# Altium PCB BW1098FFC.PcbDoc (part 1 of 3) (continued)
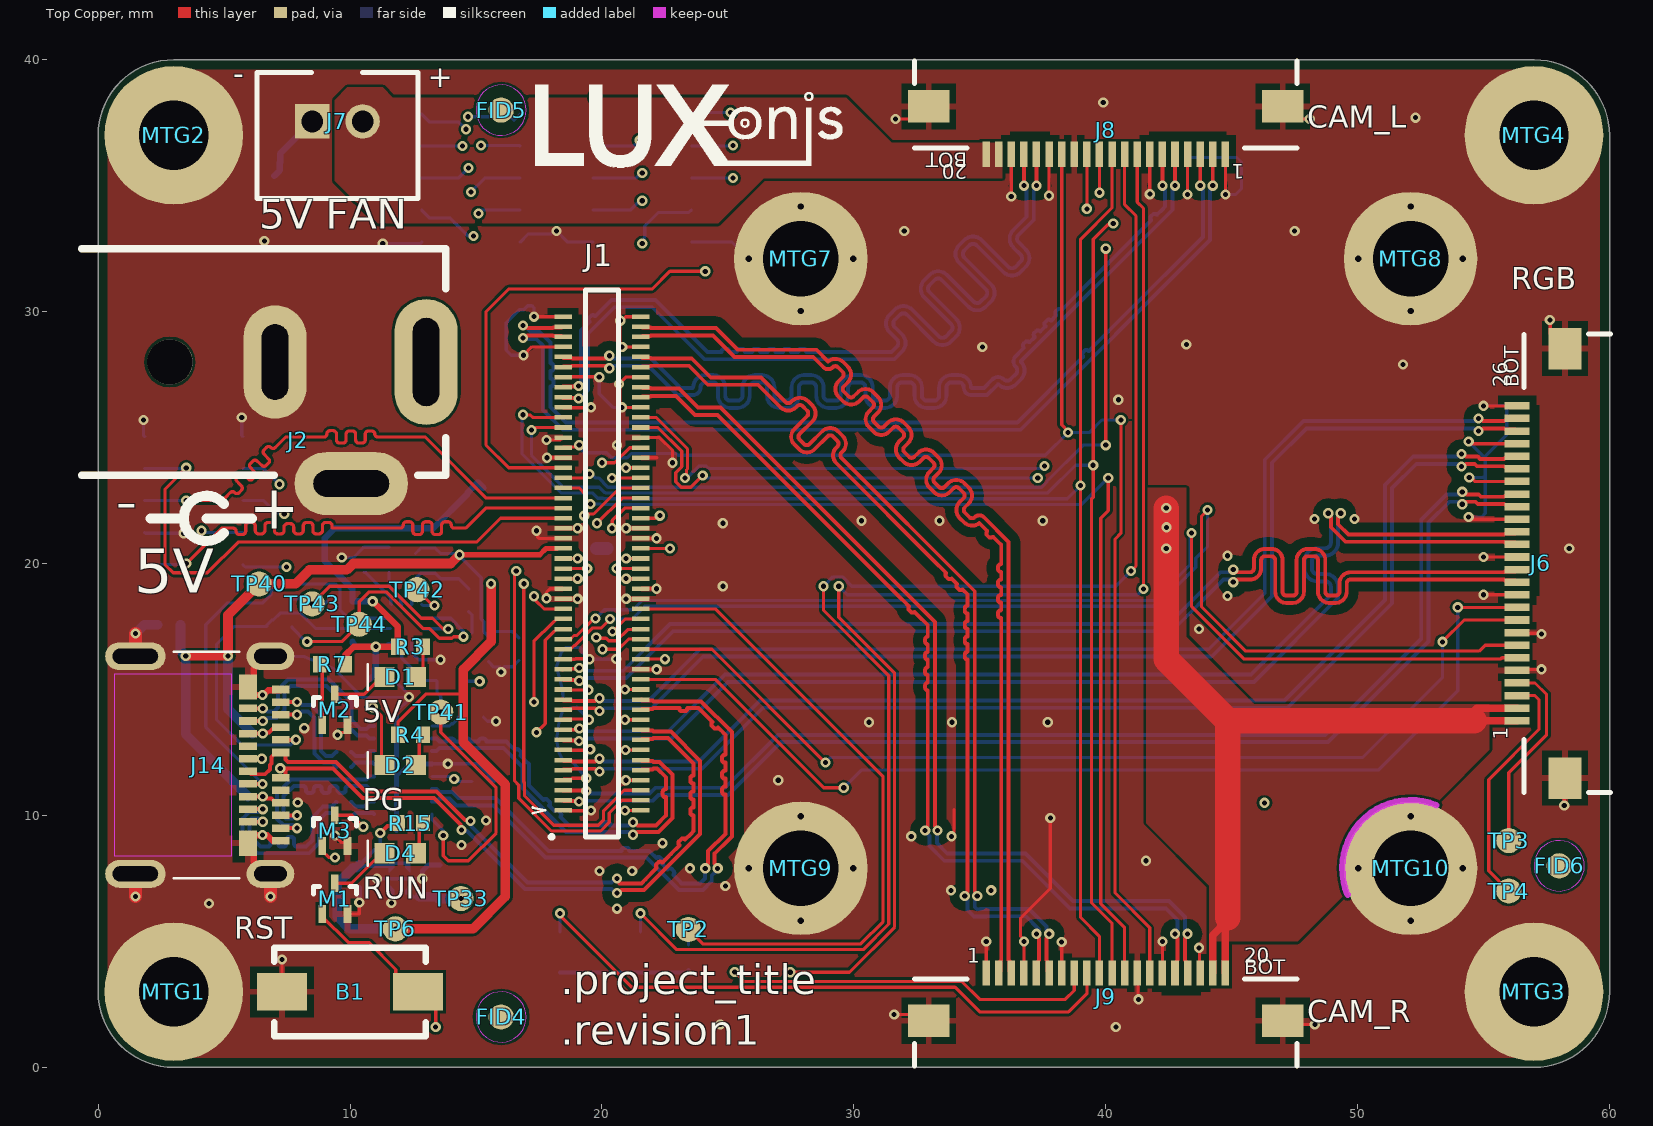
[diagram p0: Top Copper view]
## Part data (continued)
J3 J4 J5: "CONN HEADER SMD 10POS 1.27MM", Color=Black, Contact Resistance=30mR, Manufacturer 1="Amphenol FCI", Max Operating Temperature=85°C, Max Voltage Rating (AC)=125V, Min Operating Temperature=-40°C, Package Quantity=93, Supplier Part Number 1=609-6529-ND, ComponentLink1Description=https://datasheet.ciiva.com/18659/20021121-18659066.pdf?src-supplier=Digi-Key, ComponentLink1URL=https://datasheet.ciiva.com/18659/20021121-18659066.pdf?src-supplier=Digi-Key, ComponentLink2Description=https://datasheet.ciiva.com/10033/20021121-10033582.pdf?src-supplier=Avnet, ComponentLink2URL=https://datasheet.ciiva.com/10033/20021121-10033582.pdf?src-supplier=Avnet, Connector Type="Male Pin", Contact Material="Copper Alloy", Contact Mating Length=0.12inch, Contact Plating=Gold, Depth=3.4mm, Housing Color=Black, Housing Material=Thermoplastic, Length=6.35mm, Manufacturer Part Number 1=20021121-00010T1LF, Mount="Surface Mount", Number of Contacts=10, Number of Positions=10, Number of Rows=2, Orientation=Straight, Packaging=Rail/Tube, Pitch=1.27mm, Pricing 1="1=0.77000, 10=0.71800, 100=0.55040, 500=0.47860, 1000=0.39485, 5000=0.34699, 10000=0.32306 (USD)", RoHS=Yes, Row Spacing=0.05inch, Stock 1=1465, Supplier 1=Digi-Key, Supplier 2=Mouser, Supplier 3=TTI, Supplier Part Number 2=649-200211210010T1LF, Supplier Part Number 3=20021121-00010T1LF, Termination=Solder
J6: library part 54548-2671, "CONN FFC BOTTOM 26POS 0.50MM R/A 26 Position FFC, FPC Connector Contacts, Bottom 0.020\" (0.50mm) Surface Mount, Right Angle", Contact Resistance=40mR, Current Rating=500mA, Flammability Rating="UL94 V-0", Housing Color=Black, Manufacturer 1=Molex, Max Operating Temperature=85°C, Min Operating Temperature=-20°C, Mouser Part Number=538-54548-2671, Package Quantity=750, Voltage Rating=50V, Actuator Material=Polyphenylene, ComponentLink1Description=https://datasheet.ciiva.com/5137/0545482671-ffc-fpc-connectors-146697-5137857.pdf?src-supplier=Mouser, ComponentLink1URL=https://datasheet.ciiva.com/5137/0545482671-ffc-fpc-connectors-146697-5137857.pdf?src-supplier=Mouser, Contact Material=Bronze, Contact Plating=Gold, Datasheet Link=https://www.molex.com/molex/products/datasheet.jsp?part=active/0545482671_FFC_FPC_CONNECTORS.xml&channel=Products&Lang=en-US, Depth=5mm, Height=1mm, Housing Material=Polymer, Length=18.2mm, Manufacturer 2=Molex, Manufacturer_Name=Molex, Manufacturer_Part_Number=54548-2671, Manufacturer Part Number 1=54548-2671, Manufacturer Part Number 2=54548-2671, Mount="Surface Mount", Mouser Price/Stock=https://eu.mouser.com/ProductDetail/Molex/54548-2671?qs=sGAEpiMZZMs7i6cT6ogu49DbkzKdWzYdwOJCTNigfgU%3D, Number of Contacts=26, Number of Positions=26, Number of Rows=1, Orientation="Right Angle", Packaging="Tape and Reel", Pitch=0.5mm, Pricing 1="1=3.03000, 10=2.86000, 25=2.55000, 100=2.42000, 250=2.12000, 500=2.07000 (USD)", Pricing 2="1=3.50200, 10=3.34800, 25=3.06600, 100=2.78390, 250=2.43800, 500=2.41400, 1000=2.25990, 3000=2.10600, 6000=1.95200, 12000=1.73300, 24000=1.71600, 48000=1.69900, 60000=1.68200 (USD)", RoHS=Yes, Stock 1=6344, Stock 2=11173, Supplier 1=Mouser, Supplier 2=Arrow, Supplier Part Number 1=538-54548-2671, Supplier Part Number 2=0545482671, Termination=Solder, Wire/Cable Type=Straight
J7: "CONN HEADER VERT 2POS 2MM", Color=Natural, Contact Resistance=20mR, Current Rating=2A, Housing Color=White, Insulation Resistance=1MR, Manufacturer 1=JST, Max Operating Temperature=85°C, Max Voltage Rating (AC)=100V, Min Operating Temperature=-25°C, Supplier Part Number 1=455-1704-ND, ComponentLink1Description=https://datasheet.ciiva.com/6747/80560-6747392.pdf?src-supplier=Newark, ComponentLink1URL=https://datasheet.ciiva.com/6747/80560-6747392.pdf?src-supplier=Newark, ComponentLink2Description=https://datasheet.ciiva.com/11746/0900766b8082f551-11746676.pdf?src-supplier=RSComponents, ComponentLink2URL=https://datasheet.ciiva.com/11746/0900766b8082f551-11746676.pdf?src-supplier=RSComponents, ComponentLink3Description=https://datasheet.ciiva.com/8052/80560-8052022.pdf?src-supplier=Element14, ComponentLink3URL=https://datasheet.ciiva.com/8052/80560-8052022.pdf?src-supplier=Element14, ComponentLink4Description=https://datasheet.ciiva.com/712/eph-712442.pdf?src-supplier=Digi-Key, ComponentLink4URL=https://datasheet.ciiva.com/712/eph-712442.pdf?src-supplier=Digi-Key, ComponentLink5Description=https://datasheet.ciiva.com/16422/b2b-ph-k-slfsn-16422715.pdf?src-supplier=Future+Electronics, ComponentLink5URL=https://datasheet.ciiva.com/16422/b2b-ph-k-slfsn-16422715.pdf?src-supplier=Future+Electronics, Connector Type="Male Pin", Contact Material=Brass, Contact Mating Length=0.13inch, Contact Plating=Tin, Depth=4.5mm, Fastening Type=Detent, Gender=Male, Height=9.4mm, Housing Material=Polyamide, Lead Free="Lead Free", Lead Pitch=2mm, Length=5.9mm, Manufacturer Part Number 1=B2B-PH-K-S(LF)(SN), Max Current Rating=2A, Max Voltage Rating (DC)=100V, Mount="Through Hole", Number of Contacts=2, Number of Pins=2, Number of Poles=2, Number of Positions=2, Number of Rows=1, Orientation=Straight, Packaging=Bulk, Pitch=2mm, Pricing 1="1 = 0.170000, 10 = 0.162000, 100 = 0.100200, 500 = 0.082880, 1000 = 0.072520, 5000 = 0.062160, 10000 = 0.060440 (USD)", REACH SVHC="No SVHC", RoHS=Yes, Stock 1=216199, Supplier 1=Digi-Key, Termination=Solder, Voltage Rating=100V, Voltage Rating (AC)=100V, Width=4.5mm, Working Voltage=100V
J8 J9: library part 54548-2071, "CONN FFC BOTTOM 20POS 0.50MM R/A 20 Position FFC, FPC Connector Contacts, Bottom 0.020\" (0.50mm) Surface Mount, Right Angle", Contact Resistance=40mR, Current Rating=500mA, Flammability Rating="UL94 V-0", Housing Color=Black, Manufacturer 1=Molex, Max Operating Temperature=85°C, Min Operating Temperature=-20°C, Mouser Part Number=538-54548-2071, Package Quantity=750, Supplier Part Number 1=WM8829CT-ND, Voltage Rating=50V, Actuator Material=Polyphenylene, ComponentLink1Description=https://datasheet.ciiva.com/15244/30580545482071-ffc-fpc-nectors-15244814.pdf?src-supplier=Arrow+Europe, ComponentLink1URL=https://datasheet.ciiva.com/15244/30580545482071-ffc-fpc-nectors-15244814.pdf?src-supplier=Arrow+Europe, Contact Material=Bronze, Contact Plating=Gold, Datasheet Link=http://www.molex.com/webdocs/datasheets/pdf/en-us//0545482271_FFC_FPC_CONNECTORS.pdf, Depth=5mm, Height=1mm, Housing Material=Polymer, Length=15.2mm, Manufacturer 2=Molex, Manufacturer_Name=Molex, Manufacturer_Part_Number=54548-2071, Manufacturer Part Number 1=54548-2071, Manufacturer Part Number 2=54548-2071, Mating Cycles=20, Mount="Surface Mount", Mouser Price/Stock=https://www.mouser.com/Search/Refine.aspx?Keyword=538-54548-2071, Number of Positions=20, Number of Rows=1, Orientation="Right Angle", Packaging="Tape and Reel", Pitch=0.02inch, Pricing 1="1=2.57000, 10=2.33100, 25=2.18840, 50=2.09340, 100=1.99820, 250=1.80784 (USD)", Pricing 2="1=2.16000, 10=1.90000, 100=1.73000, 250=1.51000, 500=1.47000, 1000=1.25000, 3000=1.16000, 6000=1.12000 (USD)", Radiation Hardening=No, RoHS=Yes, Stock 1=15609, Stock 2=4396, Supplier 1=Digi-Key, Supplier 2=Mouser, Supplier Part Number 2=538-54548-2071, Termination=Solder, Wire/Cable Type=Straight
J14: library part 105450-0101, "CONN RCP USB3.1 TYPEC 24P SMD RA", Case/Package=0101, Current Rating=5A, Flammability Rating="UL94 V-0", Insulation Color=Black, Manufacturer 1=Molex, Max Operating Temperature=85°C, Min Operating Temperature=-30°C, Supplier Part Number 1=WM12856CT-ND, ComponentLink1Description=http://www.farnell.com/datasheets/2673427.pdf?src-supplier=Farnell, ComponentLink1URL=http://www.farnell.com/datasheets/2673427.pdf?src-supplier=Farnell, ComponentLink2Description=http://www.farnell.com/datasheets/2801634.pdf?src-supplier=Farnell, ComponentLink2URL=http://www.farnell.com/datasheets/2801634.pdf?src-supplier=Farnell, ComponentLink3Description=http://www.farnell.com/datasheets/2672741.pdf?src-supplier=Newark, ComponentLink3URL=http://www.farnell.com/datasheets/2672741.pdf?src-supplier=Newark, ComponentLink4Description=https://www.molex.com/pdm_docs/sd/1054500101_sd.pdf?src-supplier=Digi-Key, ComponentLink4URL=https://www.molex.com/pdm_docs/sd/1054500101_sd.pdf?src-supplier=Digi-Key, ComponentLink5Description=https://www.molex.com/pdm_docs/ps/PS-105448-001.pdf?src-supplier=Digi-Key, ComponentLink5URL=https://www.molex.com/pdm_docs/ps/PS-105448-001.pdf?src-supplier=Digi-Key, ComponentLink6Description=http://www.farnell.com/datasheets/2015275.pdf?src-supplier=Element14, ComponentLink6URL=http://www.farnell.com/datasheets/2015275.pdf?src-supplier=Element14, ComponentLink7Description=http://www.literature.molex.com/SQLImages/kelmscott/Molex/PDF_Images/987651-4081.PDF?src-supplier=Avnet, ComponentLink7URL=http://www.literature.molex.com/SQLImages/kelmscott/Molex/PDF_Images/987651-4081.PDF?src-supplier=Avnet, ComponentLink8Description=http://www.literature.molex.com/SQLImages/kelmscott/Molex/PDF_Images/987651-4081.PDF?src-supplier=Avnet+Asia, ComponentLink8URL=http://www.literature.molex.com/SQLImages/kelmscott/Molex/PDF_Images/987651-4081.PDF?src-supplier=Avnet+Asia, Connector Type=USB, Contact Material="Copper Alloy", Contact Plating=Gold, Features=Shielded, Gender=Receptacle, Housing Material=Thermoplastic, Length=8.94mm, Manufacturer Part Number 1=105450-0101, Mating Cycles=10000, Mount="Surface Mount,Through Hole,Horizontal", Number of Contacts=24, Number of Pins=24, Number of Ports=1, Number of Terminals=24, Orientation="Right Angle", Packaging="Tape and Reel", Pitch=0.5mm, Pricing 1="1=2.15000, 10=1.94900, 25=1.82960, 50=1.75000, 100=1.67050, 250=1.51140, 500=1.39208 (USD)", REACH SVHC=Unknown, RoHS=Yes, Shielding=Shielded, Stock 1=13882, Supplier 1=Digi-Key, Termination=Solder, USB Standard="USB 3.1"
M1 M2 M3: "MOSFET N-CH 20V 0.2A EMT3", Case/Package=SOT-89, Continuous Drain Current (ID)=200mA, Drain to Source Voltage (Vdss)=20V, Input Capacitance=25pF, Manufacturer 1=Rohm, Max Power Dissipation=150mW, Supplier Part Number 1=RE1C002UNTCLCT-ND, ComponentLink1Description=http://www.mouser.com/ds/2/348/re1c002untcl-e-1018231.pdf?src-supplier=Mouser, ComponentLink1URL=http://www.mouser.com/ds/2/348/re1c002untcl-e-1018231.pdf?src-supplier=Mouser, ComponentLink2Description=http://rohmfs.rohm.com/en/techdata_basic/transistor/taping/EMT3_TL_taping.pdf?src-supplier=Digi-Key, ComponentLink2URL=http://rohmfs.rohm.com/en/techdata_basic/transistor/taping/EMT3_TL_taping.pdf?src-supplier=Digi-Key, ComponentLink3Description=http://rohmfs.rohm.com/en/products/databook/datasheet/discrete/transistor/mosfet/re1c002un.pdf?src-supplier=Avnet, ComponentLink3URL=http://rohmfs.rohm.com/en/products/databook/datasheet/discrete/transistor/mosfet/re1c002un.pdf?src-supplier=Avnet, ComponentLink4Description=https://www.rohm.com/datasheet/RE1C002UN/re1c002untcl-e?src-supplier=Digi-Key, ComponentLink4URL=https://www.rohm.com/datasheet/RE1C002UN/re1c002untcl-e?src-supplier=Digi-Key, ComponentLink5Description=http://www.farnell.com/datasheets/2704376.pdf?src-supplier=Newark, ComponentLink5URL=http://www.farnell.com/datasheets/2704376.pdf?src-supplier=Newark, ComponentLink6Description=http://www.farnell.com/datasheets/2704376.pdf?src-supplier=Farnell, ComponentLink6URL=http://www.farnell.com/datasheets/2704376.pdf?src-supplier=Farnell, ComponentLink7Description=http://www.farnell.com/datasheets/2704376.pdf?src-supplier=Element14, ComponentLink7URL=http://www.farnell.com/datasheets/2704376.pdf?src-supplier=Element14, Lead Free="Lead Free", Manufacturer Part Number 1=RE1C002UNTCL, Mount="Surface Mount", Packaging="Tape and Reel", Pricing 1="1=0.20000, 10=0.18200, 100=0.09930, 500=0.06112, 1000=0.04167 (USD)", Rds On Max=1.2R, RoHS=Yes, Stock 1=868886, Supplier 1=Digi-Key
MTG1 MTG2 MTG3 MTG4: "=CurrentFootprint", B - Value="Not a Part", A - Level=0
MTG7 MTG8 MTG9 MTG10: library part 9774030243R, "MP ROUND STANDOFF M2X0.4 STEEL 3MM", Manufacturer 1="Wurth Electronics", Supplier Part Number 1=732-7085-1-ND, ComponentLink1Description=http://www.mouser.com/ds/2/445/9774030243R-611455.pdf?src-supplier=Mouser, ComponentLink1URL=http://www.mouser.com/ds/2/445/9774030243R-611455.pdf?src-supplier=Mouser, ComponentLink2Description=http://www.farnell.com/datasheets/1960368.pdf?src-supplier=Farnell, ComponentLink2URL=http://www.farnell.com/datasheets/1960368.pdf?src-supplier=Farnell, ComponentLink3Description=https://katalog.we-online.de/em/datasheet/9774030243R.pdf?src-supplier=Digi-Key, ComponentLink3URL=https://katalog.we-online.de/em/datasheet/9774030243R.pdf?src-supplier=Digi-Key, ComponentLink4Description=http://www.farnell.com/datasheets/1960368.pdf?src-supplier=Newark, ComponentLink4URL=http://www.farnell.com/datasheets/1960368.pdf?src-supplier=Newark, ComponentLink5Description=http://www.farnell.com/datasheets/1960368.pdf?src-supplier=Element14, ComponentLink5URL=http://www.farnell.com/datasheets/1960368.pdf?src-supplier=Element14, Length=0.173inch, Manufacturer Part Number 1=9774030243R, Material=Steel, Outside Diameter=0.171inch, Plating=Tin, Pricing 1="1=0.95000, 10=0.91800, 50=0.79500, 100=0.73900 (USD)", REACH SVHC=Unknown, RoHS=Yes, Stock 1=20568, Supplier 1=Digi-Key, Supplier 2=Mouser, Supplier 3=Element14, Supplier Part Number 2=710-9774030243R, Supplier Part Number 3=2497599, Threaded/Unthreaded=Threaded
R2 R31 R32 R183 R185 R186 R213 R214 RZ28 RZ29: library part RC0402FR-1310KL, "RES SMD 10K OHM 1% 0402 1/16W Chip Resistor, 0402 [1005 Metric], 10 kohm, RC Series, 50 V, Thick Film, 62.5 mW", Case/Package=0402, Case Code (Metric)=1005, Manufacturer 1=Yageo, Max Operating Temperature=155°C, Min Operating Temperature=-55°C, Power Rating=62.5mW, Resistance=10kR, Supplier Part Number 1=67R9960, Temperature Coefficient=100ppm/°C, Tolerance=1%, Voltage Rating=50V, Case Code (Imperial)=0402, ComponentLink1Description=https://datasheet.ciiva.com/16940/pyu-rc0402-51-rohs-l-6-16940293.pdf?src-supplier=Avnet+Europe, ComponentLink1URL=https://datasheet.ciiva.com/16940/pyu-rc0402-51-rohs-l-6-16940293.pdf?src-supplier=Avnet+Europe, ComponentLink2Description=https://datasheet.ciiva.com/28386/pyu-rc0402-51-rohs-l-6-28386855.pdf?src-supplier=Avnet+Europe, ComponentLink2URL=https://datasheet.ciiva.com/28386/pyu-rc0402-51-rohs-l-6-28386855.pdf?src-supplier=Avnet+Europe, ComponentLink3Description=https://datasheet.ciiva.com/16740/pyu-rc0402-51-rohs-l-6-r-16740602.pdf?src-supplier=Future+Electronics, ComponentLink3URL=https://datasheet.ciiva.com/16740/pyu-rc0402-51-rohs-l-6-r-16740602.pdf?src-supplier=Future+Electronics, ComponentLink4Description=https://datasheet.ciiva.com/8891/pyu-rc0402-51-rohs-l-6-8891339.pdf?src-supplier=Avnet, ComponentLink4URL=https://datasheet.ciiva.com/8891/pyu-rc0402-51-rohs-l-6-8891339.pdf?src-supplier=Avnet, ComponentLink5Description=https://datasheet.ciiva.com/5557/pyu-rc0402-51-rohs-l-6-r-5557997.pdf?src-supplier=Mouser, ComponentLink5URL=https://datasheet.ciiva.com/5557/pyu-rc0402-51-rohs-l-6-r-5557997.pdf?src-supplier=Mouser, ComponentLink6Description=https://datasheet.ciiva.com/7983/1018594-7983533.pdf?src-supplier=Element14, ComponentLink6URL=https://datasheet.ciiva.com/7983/1018594-7983533.pdf?src-supplier=Element14, Composition="Thick Film", Contact Plating=Tin,Matte,Lead, Depth=0.5mm, Lead Free="Lead Free", Length=1mm, Manufacturer Part Number 1=RC0402FR-1310KL, Military Standard=Not, Number of Pins=2, Number of Terminations=2, Packaging="Tape and Reel", Pricing 1="1=0.10000, 25=0.01200, 100=0.00400, 250=0.00400, 500=0.00300, 1000=0.00300 (USD)", Radiation Hardening=No, REACH SVHC="No SVHC", RoHS=Yes, Stock 1=62239, Supplier 1=Newark, Termination=SMD/SMT, Voltage Rating (DC)=50V, Working Voltage=50V
R3 R4 R7 R15: library part RC0402FR-071KL, "RES SMD 1K OHM 1% 1/16W 0402 1 kOhms ±1% 0.063W, 1/16W Chip Resistor 0402 (1005 Metric) Moisture Resistant Thick Film", Case/Package=0402, Case Code (Metric)=1005, Manufacturer 1=Yageo, Max Operating Temperature=155°C, Min Operating Temperature=-55°C, Power Rating=62.5mW, Resistance=1kR, Supplier Part Number 1=311-1.00KLRCT-ND, Temperature Coefficient=100ppm/°C, Tolerance=1%, Voltage Rating=50V, Case Code (Imperial)=0402, ComponentLink1Description=https://datasheet.ciiva.com/11819/0900766b80c66297-11819477.pdf?src-supplier=RSComponents, ComponentLink1URL=https://datasheet.ciiva.com/11819/0900766b80c66297-11819477.pdf?src-supplier=RSComponents, ComponentLink2Description=https://datasheet.ciiva.com/12666/pyu-rc0402-51-rohs-l-6-r-12666741.pdf?src-supplier=Mouser, ComponentLink2URL=https://datasheet.ciiva.com/12666/pyu-rc0402-51-rohs-l-6-r-12666741.pdf?src-supplier=Mouser, ComponentLink3Description=https://datasheet.ciiva.com/17063/pyu-rc0402-51-rohs-l-6-r-17063193.pdf?src-supplier=Future+Electronics, ComponentLink3URL=https://datasheet.ciiva.com/17063/pyu-rc0402-51-rohs-l-6-r-17063193.pdf?src-supplier=Future+Electronics, ComponentLink4Description=https://datasheet.ciiva.com/22747/1018594-22747513.pdf?src-supplier=Element14, ComponentLink4URL=https://datasheet.ciiva.com/22747/1018594-22747513.pdf?src-supplier=Element14, ComponentLink5Description=https://datasheet.ciiva.com/7849/1018594-7849869.pdf?src-supplier=Element14, ComponentLink5URL=https://datasheet.ciiva.com/7849/1018594-7849869.pdf?src-supplier=Element14, ComponentLink6Description=https://datasheet.ciiva.com/7983/1018594-7983502.pdf?src-supplier=Element14, ComponentLink6URL=https://datasheet.ciiva.com/7983/1018594-7983502.pdf?src-supplier=Element14, ComponentLink7Description=https://datasheet.ciiva.com/7849/1018594-7849871.pdf?src-supplier=Element14, ComponentLink7URL=https://datasheet.ciiva.com/7849/1018594-7849871.pdf?src-supplier=Element14, Composition="Thick Film", Depth=0.5mm, Height=0.32mm, Lead Free="Lead Free", Length=1mm, Manufacturer Part Number 1=RC0402FR-071KL, Military Standard=Not, Number of Pins=2, Packaging="Tape and Reel", Pricing 1="1=0.10000, 10=0.01600, 100=0.00670, 1000=0.00301, 2500=0.00261, 5000=0.00215 (USD)", REACH SVHC=Unknown, RoHS=Yes, Stock 1=60695854, Supplier 1=Digi-Key, Termination=SMD/SMT, Voltage Rating (DC)=50V, Width=0.5mm
R6 R10 R12: library part CRCW06030000Z0EA, "RES SMD 0 OHM JUMPER 1/10W 0603 0 Ohms Jumper 0.1W, 1/10W Chip Resistor 0603 (1608 Metric) Automotive AEC-Q200 Thick Film", Case/Package=0603, Case Code (Metric)=1608, Current Rating=2A, Manufacturer 1=Vishay, Manufacturer Part Number 1=CRCW0603-0000Z0EA, Max Operating Temperature=155°C, Max Power Dissipation=100mW, Min Operating Temperature=-55°C, Package Quantity=1, Resistance=0mR, Supplier Part Number 1=541-0.0GCT-ND, Temperature Coefficient=100ppm/°C, Tolerance=5%, Voltage Rating=75V, Case Code (Imperial)=0603, ComponentLink1Description=https://datasheet.ciiva.com/2461/dcrcwe3-2461968.pdf?src-supplier=Digi-Key, ComponentLink1URL=https://datasheet.ciiva.com/2461/dcrcwe3-2461968.pdf?src-supplier=Digi-Key, ComponentLink2Description=https://datasheet.ciiva.com/2461/dcrcwe3-2461969.pdf?src-supplier=Digi-Key, ComponentLink2URL=https://datasheet.ciiva.com/2461/dcrcwe3-2461969.pdf?src-supplier=Digi-Key, ComponentLink3Description=https://datasheet.ciiva.com/2461/dcrcwe3-2461970.pdf?src-supplier=Digi-Key, ComponentLink3URL=https://datasheet.ciiva.com/2461/dcrcwe3-2461970.pdf?src-supplier=Digi-Key, ComponentLink4Description=https://datasheet.ciiva.com/8340/dcrcwe3-8340197.pdf?src-supplier=Avnet, ComponentLink4URL=https://datasheet.ciiva.com/8340/dcrcwe3-8340197.pdf?src-supplier=Avnet, ComponentLink5Description=https://datasheet.ciiva.com/16941/dcrcw-16941302.pdf?src-supplier=Avnet+Europe, ComponentLink5URL=https://datasheet.ciiva.com/16941/dcrcw-16941302.pdf?src-supplier=Avnet+Europe, ComponentLink6Description=https://datasheet.ciiva.com/16199/dcrcwe3-16199063.pdf?src-supplier=Future+Electronics, ComponentLink6URL=https://datasheet.ciiva.com/16199/dcrcwe3-16199063.pdf?src-supplier=Future+Electronics, ComponentLink7Description=https://datasheet.ciiva.com/16725/70201119-16725175.pdf?src-supplier=Allied+Electronics, ComponentLink7URL=https://datasheet.ciiva.com/16725/70201119-16725175.pdf?src-supplier=Allied+Electronics, ComponentLink8Description=https://datasheet.ciiva.com/26316/fld-crcw-e3-data-en-26316615.pdf?src-supplier=Distrelec, ComponentLink8URL=https://datasheet.ciiva.com/26316/fld-crcw-e3-data-en-26316615.pdf?src-supplier=Distrelec, ComponentLink9Description=https://datasheet.ciiva.com/5544/dcrcwe3-109170-5544344.pdf?src-supplier=Mouser, ComponentLink9URL=https://datasheet.ciiva.com/5544/dcrcwe3-109170-5544344.pdf?src-supplier=Mouser, ComponentLink10Description=https://datasheet.ciiva.com/7841/1720486-7841816.pdf?src-supplier=Element14, ComponentLink10URL=https://datasheet.ciiva.com/7841/1720486-7841816.pdf?src-supplier=Element14, ComponentLink11Description=https://datasheet.ciiva.com/7841/1720486-7841817.pdf?src-supplier=Element14, ComponentLink11URL=https://datasheet.ciiva.com/7841/1720486-7841817.pdf?src-supplier=Element14, ComponentLink12Description=https://datasheet.ciiva.com/7841/125364-7841818.pdf?src-supplier=Element14, ComponentLink12URL=https://datasheet.ciiva.com/7841/125364-7841818.pdf?src-supplier=Element14, ComponentLink13Description=https://datasheet.ciiva.com/16721/70201119-16721450.pdf?src-supplier=Allied+Electronics, ComponentLink13URL=https://datasheet.ciiva.com/16721/70201119-16721450.pdf?src-supplier=Allied+Electronics, Composition="Thick Film", Contact Plating=Tin,Lead, Depth=0.85mm, Features="Automotive AEC-Q200", Height=0.02inch, Lead Free="Lead Free", Length=1.55mm, Military Standard=Not, Mount="Surface Mount", Number of Terminations=2, Packaging="Tape and Reel", Power Rating=100mW, Pricing 1="1=0.100000, 10=0.034000, 25=0.024400, 50=0.018600, 100=0.013800, 250=0.010480, 500=0.008400, 1000=0.006180 (USD)", Radiation Hardening=No, REACH SVHC=Unknown, RoHS=Yes, Stock 1=742743, Supplier 1=Digi-Key, Termination=SMD/SMT, Voltage Rating (DC)=75V, Weight=7.1E-05oz, Width=0.033inch, Working Voltage=75V
R187 R190: library part CRCW04021M80FKED, "RES SMD 1.8M OHM 1% 1/16W 0402", Case/Package=0402, Case Code (Metric)=1005, Manufacturer 1=Vishay, Max Operating Temperature=155°C, Min Operating Temperature=-55°C, Package Quantity=10000, Power Rating=63mW, Resistance=1.8MR, Supplier Part Number 1=541-1.80MLCT-ND, Temperature Coefficient=100ppm/°C, Tolerance=1%, Voltage Rating=50V, Case Code (Imperial)=0402, ComponentLink1Description=https://datasheet.ciiva.com/11812/0900766b80d98824-11812579.pdf?src-supplier=RSComponents, ComponentLink1URL=https://datasheet.ciiva.com/11812/0900766b80d98824-11812579.pdf?src-supplier=RSComponents, ComponentLink2Description=https://datasheet.ciiva.com/16886/dcrcwe3-16886536.pdf?src-supplier=Avnet+Europe, ComponentLink2URL=https://datasheet.ciiva.com/16886/dcrcwe3-16886536.pdf?src-supplier=Avnet+Europe, ComponentLink3Description=https://datasheet.ciiva.com/7800/1697337-7800987.pdf?src-supplier=Element14, ComponentLink3URL=https://datasheet.ciiva.com/7800/1697337-7800987.pdf?src-supplier=Element14, ComponentLink4Description=https://datasheet.ciiva.com/16786/70201119-16786875.pdf?src-supplier=Allied+Electronics, ComponentLink4URL=https://datasheet.ciiva.com/16786/70201119-16786875.pdf?src-supplier=Allied+Electronics, ComponentLink5Description=https://datasheet.ciiva.com/22676/1700796-22676027.pdf?src-supplier=Element14, ComponentLink5URL=https://datasheet.ciiva.com/22676/1700796-22676027.pdf?src-supplier=Element14, ComponentLink6Description=https://datasheet.ciiva.com/7800/1697337-7800988.pdf?src-supplier=Element14, ComponentLink6URL=https://datasheet.ciiva.com/7800/1697337-7800988.pdf?src-supplier=Element14, ComponentLink7Description=https://datasheet.ciiva.com/26316/fld-crcw-e3-data-en-26316605.pdf?src-supplier=Distrelec, ComponentLink7URL=https://datasheet.ciiva.com/26316/fld-crcw-e3-data-en-26316605.pdf?src-supplier=Distrelec, ComponentLink8Description=https://datasheet.ciiva.com/8336/dcrcwe3-8336646.pdf?src-supplier=Avnet, ComponentLink8URL=https://datasheet.ciiva.com/8336/dcrcwe3-8336646.pdf?src-supplier=Avnet, Composition="Thick Film", Contact Plating=Tin, Depth=0.5mm, Height=0.35mm, Lead Free="Lead Free", Length=1mm, Manufacturer Part Number 1=CRCW04021M80FKED, Military Standard=Not, Mount="Surface Mount", Number of Pins=2, Packaging="Tape and Reel", Pricing 1="1=0.10000, 10=0.03800, 100=0.01540, 1000=0.00690, 2500=0.00599, 5000=0.00495 (USD)", Radiation Hardening=No, REACH SVHC=Unknown, RoHS=Yes, Stock 1=26061, Supplier 1=Digi-Key, Termination=SMD/SMT, Voltage Rating (DC)=50V, Weight=2.3E-05oz, Width=0.5mm
TP1 TP2 TP3 TP4 TP5 TP6 TP33 TP40 TP41 TP42 TP43 TP44: library part TEST_POINT
U1: "IC REG LINEAR 3.3V 200MA 4X2SON Linear Voltage Regulator IC  1 Output  200mA 4-X2SON (1x1)", Dropout Voltage=250mV, Manufacturer 1="Texas Instruments", Manufacturer Part Number 1=TLV70710DQN, Max Operating Temperature=125°C, Min Current Limit=240mA, Min Operating Temperature=-40°C, Output Current=200mA, Output Voltage=1V, Package Quantity=3000, Quiescent Current=25uA, Supplier Part Number 1=296-28355-1-ND, ComponentLink1Description=http://www.ti.com/lit/gpn/tlv707?src-supplier=Mouser, ComponentLink1URL=http://www.ti.com/lit/gpn/tlv707?src-supplier=Mouser, ComponentLink2Description=http://www.ti.com/lit/ds/symlink/tlv707.pdf?src-supplier=Digi-Key, ComponentLink2URL=http://www.ti.com/lit/ds/symlink/tlv707.pdf?src-supplier=Digi-Key, Lead Free="Lead Free", Mount="Surface Mount", Number of Regulators=1, Packaging="Tape and Reel", RoHS=Yes, Supplier 1=Digi-Key
U61: library part HD3SS3212RKSR, "IC MUX 2:1 8 OHM 20VQFN", Case/Package=VQFN, Manufacturer 1="Texas Instruments", Max Operating Temperature=70°C, Max Supply Voltage=3.6V, Min Operating Temperature=0°C, Min Supply Voltage=3V, Supplier Part Number 1=296-42174-1-ND, Bandwidth=8GHz, ComponentLink1Description=http://www.ti.com/general/docs/lit/getliterature.tsp?genericPartNumber=HD3SS3212&&fileType=pdf&src-supplier=Avnet, ComponentLink1URL=http://www.ti.com/general/docs/lit/getliterature.tsp?genericPartNumber=HD3SS3212&&fileType=pdf&src-supplier=Avnet, ComponentLink2Description=http://www.ti.com/general/docs/lit/getliterature.tsp?genericPartNumber=HD3SS3212&amp;&amp;fileType=pdf&src-supplier=Farnell, ComponentLink2URL=http://www.ti.com/general/docs/lit/getliterature.tsp?genericPartNumber=HD3SS3212&amp;&amp;fileType=pdf&src-supplier=Farnell, ComponentLink3Description=http://www.ti.com/lit/ds/symlink/hd3ss3212.pdf?src-supplier=Digi-Key, ComponentLink3URL=http://www.ti.com/lit/ds/symlink/hd3ss3212.pdf?src-supplier=Digi-Key, ComponentLink4Description=http://www.ti.com/lit/gpn/hd3ss3212?src-supplier=Mouser, ComponentLink4URL=http://www.ti.com/lit/gpn/hd3ss3212?src-supplier=Mouser, ComponentLink5Description=http://www.ti.com/general/docs/lit/getliterature.tsp?genericPartNumber=HD3SS3212&&fileType=pdf&src-supplier=Element14, ComponentLink5URL=http://www.ti.com/general/docs/lit/getliterature.tsp?genericPartNumber=HD3SS3212&&fileType=pdf&src-supplier=Element14, Data Rate=480Mbps, Lead Free="Lead Free", Manufacturer Part Number 1=HD3SS3212RKSR, Mount=Standard, Number of Pins=20, Number of Ports=3, Packaging="Tape and Reel", Pricing 1="1=1.79000, 10=1.61000, 100=1.29440, 500=1.06348, 1000=0.88117 (USD)", REACH SVHC="No SVHC", RoHS=Yes, Stock 1=36674, Supplier 1=Digi-Key, USB Standard="USB 3.1"
U62: library part TUSB321RWBR, "IC USB PORT CONTROL TYPE-C 12X2Q", Manufacturer 1="Texas Instruments", Max Operating Temperature=70°C, Max Supply Voltage=5.5V, Min Operating Temperature=0°C, Min Supply Voltage=4.5V, Supplier Part Number 1=296-42400-1-ND, ComponentLink1Description=http://www.ti.com/general/docs/lit/getliterature.tsp?genericPartNumber=TUSB321&&fileType=pdf&src-supplier=Avnet+Asia, ComponentLink1URL=http://www.ti.com/general/docs/lit/getliterature.tsp?genericPartNumber=TUSB321&&fileType=pdf&src-supplier=Avnet+Asia, ComponentLink2Description=http://www.ti.com/general/docs/lit/getliterature.tsp?genericPartNumber=TUSB321&&fileType=pdf&src-supplier=Farnell, ComponentLink2URL=http://www.ti.com/general/docs/lit/getliterature.tsp?genericPartNumber=TUSB321&&fileType=pdf&src-supplier=Farnell, ComponentLink3Description=http://www.ti.com/lit/ds/symlink/tusb321.pdf?src-supplier=Digi-Key, ComponentLink3URL=http://www.ti.com/lit/ds/symlink/tusb321.pdf?src-supplier=Digi-Key, ComponentLink4Description=http://www.ti.com/general/docs/lit/getliterature.tsp?genericPartNumber=TUSB321&&fileType=pdf&src-supplier=Element14, ComponentLink4URL=http://www.ti.com/general/docs/lit/getliterature.tsp?genericPartNumber=TUSB321&&fileType=pdf&src-supplier=Element14, ComponentLink5Description=http://www.ti.com/general/docs/lit/getliterature.tsp?genericPartNumber=TUSB321&&fileType=pdf&src-supplier=Avnet, ComponentLink5URL=http://www.ti.com/general/docs/lit/getliterature.tsp?genericPartNumber=TUSB321&&fileType=pdf&src-supplier=Avnet, Contact Plating=Gold, Lead Free="Lead Free", Manufacturer Part Number 1=TUSB321RWBR, Mount="Surface Mount", Number of Pins=12, Number of Ports=1, Packaging="Tape and Reel", Pricing 1="1=2.27000, 10=2.04200, 100=1.64100, 500=1.34828, 1000=1.11714 (USD)", REACH SVHC="No SVHC", RoHS=Yes, Stock 1=7746, Supplier 1=Digi-Key, USB Standard="USB 3.1"

## Via types
v1: diameter 0.406, hole 0.203, Top Copper to Bottom Layer, tented both sides, 293 vias
v2: diameter 0.508, hole 0.254, Top Copper to Bottom Layer, 16 vias
v3: diameter 0.406, hole 0.203, Top Copper to Bottom Layer, 2 vias

## Nets (pads, with @x,y where several pads share a name; then routed paths per layer and width w, separated by ;. In a path a pad name is that pad's centre, name@x,y a point inside that pad or via, vN(x,y) a via of type N, cw(c..) or ccw(c..) an arc to the next point about the centre after c; other vN are vias at no path point)
3.3VIN: C1.2 C74.2 R186.2 TP33.1 U1.1 U61.6 | length 15.1
  Signal Layer 1 w0.381: v1(14.135,11.452) 14.647,11.452 ; v1(14.4,6.7) 15.898,8.198 15.898,10.202 14.647,11.452 ; v1(15.147,15.325) 15.144,15.322 15.144,14.111 15.075,14.041 15.075,11.875 14.652,11.452 14.647,11.452
  Bottom Layer w0.127: U1.1@12.3,6.98 12.512,6.768 12.75,6.768 ; U61.6@13.25,11.55 14.037,11.55 v1(14.135,11.452) 14.234,11.354 C74.2@14.834,11.354 ; R186.2@14.45,15.325 v1(15.147,15.325)
  Bottom Layer w0.381: 12.75,6.768 13.432,6.768 C1.2@13.5,6.7 v1(14.4,6.7)
5V_IN: J2.1 R6.1
2485_PGOOD: J1.37 J4.5 M3.1 | length 64.8
  Top Copper w0.127: M3.1@8.9,8.79 8.9,8.585 9.15,8.335 v1(9.4,8.335) v1@9.455,8.335 ; v1(17.4,13.3) 17.748,13.648 17.748,16.961 18.042,17.255 18.055,17.255 18.2,17.4 J1.37@18.46,17.4
  Signal Layer 1 w0.127: v1@9.491,8.326 9.491,8.244 9.954,7.781 9.954,7.622 10.455,7.122 10.455,7.12 10.681,6.893 12.284,6.893 13.177,6 14.823,6 17.4,8.577 v1(17.4,13.3)
  Layer 1 w0.127: v1(17.4,13.3) 17.4,13.32 17.668,13.588 17.668,17.811 16.197,19.282 16.197,20.499 10.246,26.45 10.246,34.79 14.324,38.868 21.632,38.868 v1(25.2,35.3)
  Bottom Layer w0.127: J4.5@23.55,35.3 v1(25.2,35.3)
2485_UART_RX: J1.4 J4.6 | length 48.8
  Top Copper w0.127: v1(16.6,19.7) 16.6,19.624 16.532,19.556 16.532,11.368 16.7,11.2 16.7,10.677 17.995,9.382 19.946,9.382 20.294,9.729 20.294,10.096 20.798,10.6 J1.4@21.54,10.6
  Layer 1 w0.127: v1(16.6,19.7) 16.6,20.42 10.475,26.545 10.475,34.695 14.341,38.561 18.539,38.561 v1(21.6,35.5)
  Bottom Layer w0.127: J4.6@19.65,35.3 21.335,35.3 21.535,35.5 v1(21.6,35.5)
2485_UART_TX: J1.6 J4.8 | length 48.5
  Top Copper w0.127: v1(16.9,19.2) 16.9,11.323 16.929,11.295 16.929,10.771 18.09,9.61 19.852,9.61 20.065,9.824 20.065,10.19 20.875,11 J1.6@21.54,11
  Layer 1 w0.127: v1(16.9,19.2) 16.953,19.253 16.953,19.533 16.968,19.547 16.968,20.375 10.703,26.64 10.703,34.6 14.435,38.333 17.667,38.333 v1(21.6,34.4)
  Bottom Layer w0.127: J4.8@19.65,34.03 21.13,34.03 21.5,34.4 v1(21.6,34.4)
2485_WAKEUP: J1.41 J4.7 | length 37.5
  Top Copper w0.127: v1(17.3,18.7) 17.353,18.647 17.353,18.546 17.699,18.2 J1.41@18.435,18.2
  Layer 1 w0.127: v1(17.3,18.7) 17.3,20.366 10.932,26.734 10.932,34.506 14.53,38.104 16.864,38.104 21.6,33.368 v1(21.6,32.7)
  Bottom Layer w0.127: v1(21.6,32.7) 21.673,32.773 21.673,32.938 21.7,32.965 21.7,33.4 22.234,33.934 23.454,33.934 J4.7@23.55,34.03
AUX_IO1: J6.4 TP3.1 | length 7.8
  Top Copper w0.127: TP3.1@56,9 56,11.7 57.5,13.2 57.5,14.8 57.041,15.259 J6.4@56.328,15.259
AUX_IO2: J6.3 TP4.1 | length 9.7
  Top Copper w0.127: TP4.1@56,7 55.2,7.8 55.2,11.423 57.2,13.423 57.2,14.6 57.041,14.759 J6.3@56.328,14.759
AUX_IO_IRQ: J1.69 J4.3 | length 26
  Top Copper w0.127: J1.69@18.46,23.8 16.3,23.8 15.4,24.7 15.4,30 16.3,30.9 22,30.9 22.7,31.6 v1(24.1,31.6)
  Layer 1 w0.127: v1(24.1,31.6) 24.1,33.6 25,34.5 25.626,34.5 25.7,34.574 25.7,35.9 25.251,36.349 25.251,36.549 v1(25.2,36.6)
  Bottom Layer w0.127: J4.3@23.55,36.57 25.17,36.57 v1(25.2,36.6)
CAM_A_CLK_OUT: J1.28 J6.10 | length 41.5
  Top Copper w0.127: J1.28@21.565,15.4 24.5,15.4 28.8,11.1 v1(29.6,11.1) ; v1(53.975,18.263) 53.977,18.261 55.726,18.261 55.728,18.259 J6.10@56.328,18.259
  Bottom Layer w0.127: v1(29.6,11.1) 30.3,11.8 50.823,11.8 53.975,14.952 v1(53.975,18.263)
CAM_A_PWDN_N: J1.34 J6.9 | length 39.8
  Top Copper w0.127: J1.34@21.565,16.6 24.371,16.6 v1(28.871,12.1) ; v1(53.365,16.891) 54.234,17.759 54.691,17.759 55.728,17.759 J6.9@56.328,17.759
  Bottom Layer w0.127: v1(28.871,12.1) 29.071,12.3 50.2,12.3 53.365,15.465 v1(53.365,16.891)
CAM_B_CLK_OUT: J1.73 J8.14 J9.14 | length 56.9
  Top Copper w0.127: J1.73@18.435,24.6 18.461,24.627 18.951,24.627 19.024,24.7 v1(19.1,24.7) ; J8.14@38.25,36.25 38.25,35.75 38.25,25.507 38.5,25.257 v1(38.5,25.2) ; v1(40.6,25.7) 40.6,21.2 40.368,20.968 40.368,6.927 41.75,5.545 41.75,4.25 J9.14@41.75,3.75
  Bottom Layer w0.127: v1(19.1,24.7) 19.1,24.624 19.263,24.462 19.263,24.4 20.196,24.4 20.396,24.2 21,24.2 21.168,24.368 22.953,24.368 23.021,24.3 37.6,24.3 v1(38.5,25.2) 39.348,25.2 39.848,25.7 v1(40.6,25.7)
CAM_B_D_PWM: J1.65 J9.12 | length 42.8
  Top Copper w0.127: J1.65@18.435,23 19.1,23 19.363,22.737 19.363,22.462 19.464,22.361 v1(19.54,22.361) v1@19.6,22.3 ; v1(40.1,23.4) 40.1,22.1 39.8,21.8 39.8,6.5 40.75,5.55 40.75,4.25 J9.12@40.75,3.75
  Bottom Layer w0.127: v1(19.54,22.361) 19.949,22.361 19.963,22.346 39.046,22.346 v1(40.1,23.4)
CAM_B_PWDN_N: J1.67 J8.12 | length 34.4
  Top Copper w0.127: J1.67@18.435,23.4 19.27,23.4 19.425,23.554 v1(19.501,23.554) ; v1(39.25,34.08) 39.25,35.75 J8.12@39.25,36.25 ; v1(40,24.7) v1(40,32.5)
  Signal Layer 1 w0.127: v1(39.25,34.08) 39.3,34.03 39.3,33.827 40,33.127 v1(40,32.5)
  Bottom Layer w0.127: v1(19.501,23.554) 19.576,23.554 19.732,23.399 19.869,23.399 20.236,23.032 37.453,23.032 37.668,23.247 37.668,23.268 39.1,24.7 v1(40,24.7)
CAM_L_C_N: J1.95 J8.2 | length 38.5
  Top Copper w0.152: v1(16.866,28.952) 16.934,28.952 17.037,29.055 18.047,29.055 18.069,29.034 18.401,29.034 J1.95@18.435,29 ; v1(44.248,35) 44.249,35.001 44.249,35.749 44.25,35.75 J8.2@44.25,36.25
  Bottom Layer w0.152: v1(16.866,28.952) 16.914,28.904 17.409,28.904 17.664,28.649 17.664,26.096 18.45,25.31 36.61,25.31 44.145,32.845 44.145,34.829 44.248,34.931 v1(44.248,35)
CAM_L_C_P: J1.97 J8.3 | length 38.5
  Top Copper w0.152: v1(16.866,29.448) 16.934,29.448 17.037,29.345 18.047,29.345 18.068,29.366 18.401,29.366 J1.97@18.435,29.4 ; J8.3@43.75,36.25 43.75,35.75 43.751,35.749 43.751,35.001 v1(43.752,35)
  Bottom Layer w0.152: v1(16.866,29.448) 16.934,29.448 17.188,29.194 17.53,29.194 17.954,28.769 17.954,28.1 17.954,27.968 ccw(c17.975,27.968) 17.975,27.948 cw(c17.975,27.841) 18.081,27.841 18.081,27.749 cw(c17.975,27.749) 17.975,27.643 ccw(c17.975,27.622) 17.954,27.622 17.954,27.358 ccw(c17.975,27.358) 17.975,27.338 cw(c17.975,27.231) 18.081,27.231 18.081,27.14 cw(c17.975,27.14) 17.975,27.033 ccw(c17.975,27.013) 17.954,27.013 17.954,26.728 17.954,26.7 17.954,26.216 18.571,25.6 36.49,25.6 39,28.11 39.093,28.204 ccw(c39.079,28.218) 39.093,28.232 cw(c39.169,28.308) 39.093,28.383 39.158,28.448 cw(c39.233,28.372) 39.309,28.448 ccw(c39.323,28.462) 39.338,28.448 40.767,29.877 43.855,32.965 43.855,34.829 43.752,34.931 v1(43.752,35)